# Allegro board S071AA-0413-20260427.brd (continued)
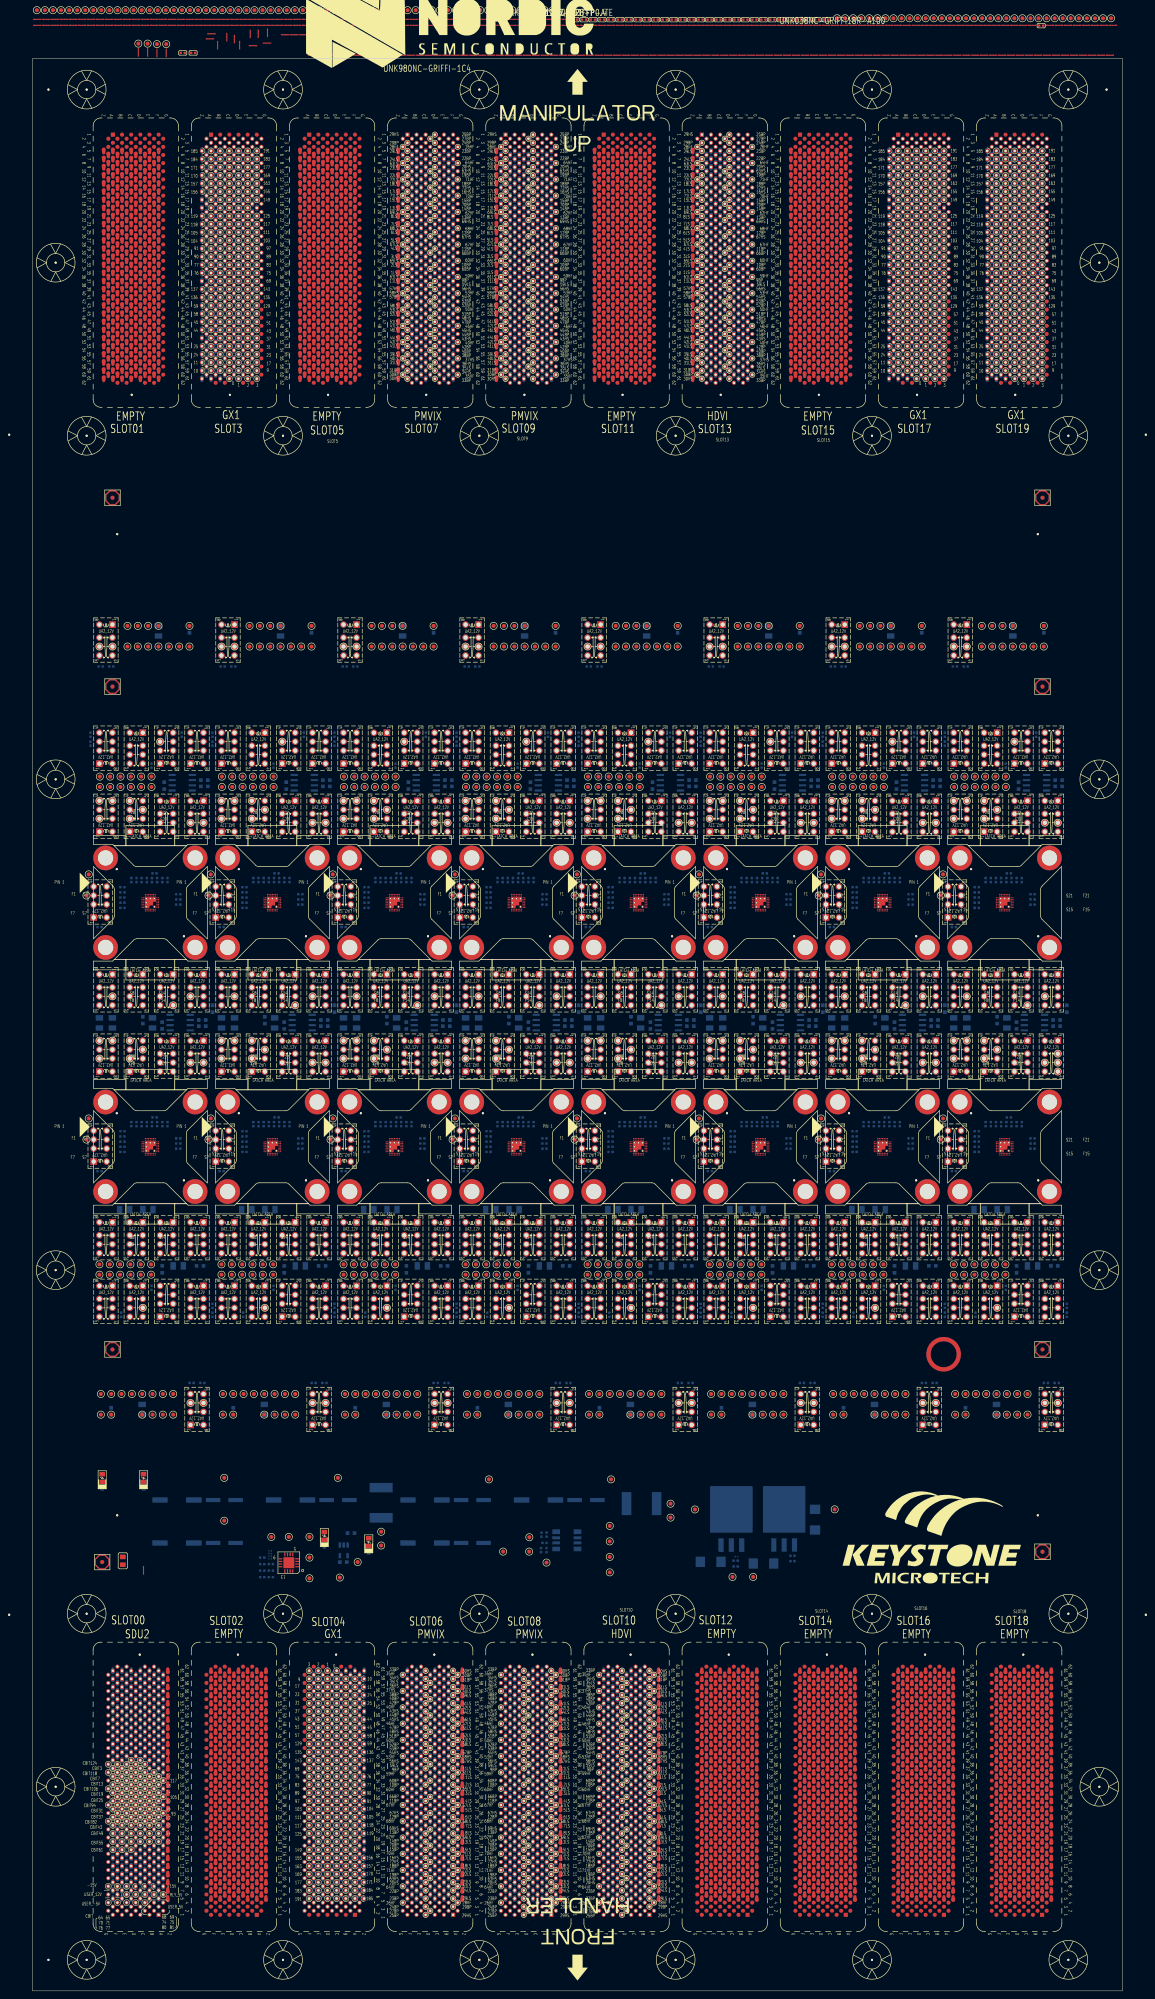
[diagram p0: board, top side]
## Footprints (pads in the part's own frame, mm; a bottom-side part is the same pattern mirrored in y, then rotated) (continued)
PG_LTXDX_F_X1_PG400ND_SL02_V3
  round 0.051 hole 2.489x2.21 unplated: (-84.465,-220.342)
  round 0.508 hole 3.2 unplated: (-83.466,-154.842)
  rect 1.016x1.016 smd: A1(-78.836,-218.796)
  round 1.016 smd: A2(-77.711,-217.796) A3(-78.836,-216.796) A4(-77.711,-215.796) B1(-81.085,-218.796) B2(-79.96,-217.796) B3(-81.085,-216.796) B4(-79.96,-215.796) B62(-79.96,-157.796) C1(-83.336,-218.796) C2(-82.21,-217.796) C3(-83.336,-216.796) C4(-82.21,-215.796) C62(-82.21,-157.796) D1(-85.586,-218.796) D2(-84.461,-217.796) D3(-85.586,-216.796) D4(-84.461,-215.796) E1(-87.835,-218.796) E2(-86.711,-217.796) E3(-87.835,-216.796) E4(-86.711,-215.796) E62(-86.711,-157.796) F1(-90.085,-218.796) F2(-88.96,-217.796) F3(-90.085,-216.796) F4(-88.96,-215.796) F62(-88.96,-157.796) G2(-91.21,-217.796) G4(-91.21,-215.796) G6(-91.21,-213.796) G8(-91.21,-211.796) G10(-91.21,-209.796) G12(-91.21,-207.796) G14(-91.21,-205.796) G16(-91.21,-203.796) G18(-91.21,-201.796) G20(-91.21,-199.796) G22(-91.21,-197.796) G24(-91.21,-195.796) G26(-91.21,-193.796) G28(-91.21,-191.796) G30(-91.21,-189.796) G32(-91.21,-187.796) G34(-91.21,-185.796) G36(-91.21,-183.796) G38(-91.21,-181.796) G40(-91.21,-179.796) G42(-91.21,-177.796) G44(-91.21,-175.796) G46(-91.21,-173.796) G48(-91.21,-171.796) G50(-91.21,-169.796) G52(-91.21,-167.796) G54(-91.21,-165.796) G56(-91.21,-163.796) G58(-91.21,-161.796) G60(-91.21,-159.796)
  custom 0.257x0.257 smd: A5(-78.836,-214.796) A6(-77.711,-213.796) A7(-78.836,-212.796) A8(-77.711,-211.796) A9(-78.836,-210.796) A10(-77.711,-209.796) A11(-78.836,-208.796) A12(-77.711,-207.796) A13(-78.836,-206.796) A14(-77.711,-205.796) A15(-78.836,-204.796) A16(-77.711,-203.796) A17(-78.836,-202.796) A18(-77.711,-201.796) A19(-78.836,-200.796) A20(-77.711,-199.796) A21(-78.836,-198.796) A22(-77.711,-197.796) A23(-78.836,-196.796) A24(-77.711,-195.796) A25(-78.836,-194.796) A26(-77.711,-193.796) A27(-78.836,-192.796) A28(-77.711,-191.796) A29(-78.836,-190.796) A30(-77.711,-189.796) A31(-78.836,-188.796) A32(-77.711,-187.796) A33(-78.836,-186.796) A34(-77.711,-185.796) A35(-78.836,-184.796) A36(-77.711,-183.796) A37(-78.836,-182.796) A38(-77.711,-181.796) A39(-78.836,-180.796) A40(-77.711,-179.796) A41(-78.836,-178.796) A42(-77.711,-177.796) A43(-78.836,-176.796) A44(-77.711,-175.796) A45(-78.836,-174.796) A46(-77.711,-173.796) A47(-78.836,-172.796) A48(-77.711,-171.796) A49(-78.836,-170.796) A50(-77.711,-169.796) A51(-78.836,-168.796) A52(-77.711,-167.796) A53(-78.836,-166.796) A54(-77.711,-165.796) A55(-78.836,-164.796) A56(-77.711,-163.796) A57(-78.836,-162.796) A58(-77.711,-161.796) A59(-78.836,-160.796) A60(-77.711,-159.796) A61(-78.836,-158.796) B5(-81.085,-214.796) B6(-79.96,-213.796) B7(-81.085,-212.796) B8(-79.96,-211.796) B9(-81.085,-210.796) B10(-79.96,-209.796) B11(-81.085,-208.796) B12(-79.96,-207.796) B13(-81.085,-206.796) B14(-79.96,-205.796) B15(-81.085,-204.796) B16(-79.96,-203.796) B17(-81.085,-202.796) B18(-79.96,-201.796) B19(-81.085,-200.796) B20(-79.96,-199.796) B21(-81.085,-198.796) B22(-79.96,-197.796) B23(-81.085,-196.796) B24(-79.96,-195.796) B25(-81.085,-194.796) B26(-79.96,-193.796) B27(-81.085,-192.796) B28(-79.96,-191.796) B29(-81.085,-190.796) B30(-79.96,-189.796) B31(-81.085,-188.796) B32(-79.96,-187.796) B33(-81.085,-186.796) B34(-79.96,-185.796) B35(-81.085,-184.796) B36(-79.96,-183.796) B37(-81.085,-182.796) B38(-79.96,-181.796) B39(-81.085,-180.796) B40(-79.96,-179.796) B41(-81.085,-178.796) B42(-79.96,-177.796) B43(-81.085,-176.796) B44(-79.96,-175.796) B45(-81.085,-174.796) B46(-79.96,-173.796) B47(-81.085,-172.796) B48(-79.96,-171.796) B49(-81.085,-170.796) B50(-79.96,-169.796) B51(-81.085,-168.796) B52(-79.96,-167.796) B53(-81.085,-166.796) B54(-79.96,-165.796) B55(-81.085,-164.796) B56(-79.96,-163.796) B57(-81.085,-162.796) B58(-79.96,-161.796) B59(-81.085,-160.796) B60(-79.96,-159.796) B61(-81.085,-158.796) C5(-83.336,-214.796) C6(-82.21,-213.796) C7(-83.336,-212.796) C8(-82.21,-211.796) C9(-83.336,-210.796) C10(-82.21,-209.796) C11(-83.336,-208.796) C12(-82.21,-207.796) C13(-83.336,-206.796) C14(-82.21,-205.796) C15(-83.336,-204.796) C16(-82.21,-203.796) C17(-83.336,-202.796) C18(-82.21,-201.796) C19(-83.336,-200.796) C20(-82.21,-199.796) C21(-83.336,-198.796) C22(-82.21,-197.796) C23(-83.336,-196.796) C24(-82.21,-195.796) C25(-83.336,-194.796) C26(-82.21,-193.796) C27(-83.336,-192.796) C28(-82.21,-191.796) C29(-83.336,-190.796) C30(-82.21,-189.796) C31(-83.336,-188.796) C32(-82.21,-187.796) C33(-83.336,-186.796) C34(-82.21,-185.796) C35(-83.336,-184.796) C36(-82.21,-183.796) C37(-83.336,-182.796) C38(-82.21,-181.796) C39(-83.336,-180.796) C40(-82.21,-179.796) C41(-83.336,-178.796) C42(-82.21,-177.796) C43(-83.336,-176.796) C44(-82.21,-175.796) C45(-83.336,-174.796) C46(-82.21,-173.796) C47(-83.336,-172.796) C48(-82.21,-171.796) C49(-83.336,-170.796) C50(-82.21,-169.796) C51(-83.336,-168.796) C52(-82.21,-167.796) C53(-83.336,-166.796) C54(-82.21,-165.796) C55(-83.336,-164.796) C56(-82.21,-163.796) C57(-83.336,-162.796) C58(-82.21,-161.796) C59(-83.336,-160.796) C60(-82.21,-159.796) C61(-83.336,-158.796) D5(-85.586,-214.796) D6(-84.461,-213.796) D7(-85.586,-212.796) D8(-84.461,-211.796) D9(-85.586,-210.796) D10(-84.461,-209.796) D11(-85.586,-208.796) D12(-84.461,-207.796) D13(-85.586,-206.796) D14(-84.461,-205.796) D15(-85.586,-204.796) D16(-84.461,-203.796) D17(-85.586,-202.796) D18(-84.461,-201.796) D19(-85.586,-200.796) D20(-84.461,-199.796) D21(-85.586,-198.796) D22(-84.461,-197.796) D23(-85.586,-196.796) D24(-84.461,-195.796) D25(-85.586,-194.796) D26(-84.461,-193.796) D27(-85.586,-192.796) D28(-84.461,-191.796) D29(-85.586,-190.796) D30(-84.461,-189.796) D31(-85.586,-188.796) D32(-84.461,-187.796) D33(-85.586,-186.796) D34(-84.461,-185.796) D35(-85.586,-184.796) D36(-84.461,-183.796) D37(-85.586,-182.796) D38(-84.461,-181.796) D39(-85.586,-180.796) D40(-84.461,-179.796) D41(-85.586,-178.796) D42(-84.461,-177.796) D43(-85.586,-176.796) D44(-84.461,-175.796) D45(-85.586,-174.796) D46(-84.461,-173.796) D47(-85.586,-172.796) D48(-84.461,-171.796) D49(-85.586,-170.796) D50(-84.461,-169.796) D51(-85.586,-168.796) D52(-84.461,-167.796) D53(-85.586,-166.796) D54(-84.461,-165.796) D55(-85.586,-164.796) D56(-84.461,-163.796) D57(-85.586,-162.796) D58(-84.461,-161.796) D59(-85.586,-160.796) D60(-84.461,-159.796) D61(-85.586,-158.796) E5(-87.835,-214.796) E6(-86.711,-213.796) E7(-87.835,-212.796) E8(-86.711,-211.796) E9(-87.835,-210.796) E10(-86.711,-209.796) E11(-87.835,-208.796) E12(-86.711,-207.796) E13(-87.835,-206.796) E14(-86.711,-205.796) E15(-87.835,-204.796) E16(-86.711,-203.796) E17(-87.835,-202.796) E18(-86.711,-201.796) E19(-87.835,-200.796) E20(-86.711,-199.796) E21(-87.835,-198.796) E22(-86.711,-197.796) E23(-87.835,-196.796) E24(-86.711,-195.796) E25(-87.835,-194.796) E26(-86.711,-193.796) E27(-87.835,-192.796) E28(-86.711,-191.796) E29(-87.835,-190.796) E30(-86.711,-189.796) E31(-87.835,-188.796) E32(-86.711,-187.796) E33(-87.835,-186.796) E34(-86.711,-185.796) E35(-87.835,-184.796) E36(-86.711,-183.796) E37(-87.835,-182.796) E38(-86.711,-181.796) E39(-87.835,-180.796) E40(-86.711,-179.796) E41(-87.835,-178.796) E42(-86.711,-177.796) E43(-87.835,-176.796) E44(-86.711,-175.796) E45(-87.835,-174.796) E46(-86.711,-173.796) E47(-87.835,-172.796) E48(-86.711,-171.796) E49(-87.835,-170.796) E50(-86.711,-169.796) E51(-87.835,-168.796) E52(-86.711,-167.796) E53(-87.835,-166.796) E54(-86.711,-165.796) E55(-87.835,-164.796) E56(-86.711,-163.796) E57(-87.835,-162.796) E58(-86.711,-161.796) E59(-87.835,-160.796) E60(-86.711,-159.796) E61(-87.835,-158.796) F5(-90.085,-214.796) F6(-88.96,-213.796) F7(-90.085,-212.796) F8(-88.96,-211.796) F9(-90.085,-210.796) F10(-88.96,-209.796) F11(-90.085,-208.796) F12(-88.96,-207.796) F13(-90.085,-206.796) F14(-88.96,-205.796) F15(-90.085,-204.796) F16(-88.96,-203.796) F17(-90.085,-202.796) F18(-88.96,-201.796) F19(-90.085,-200.796) F20(-88.96,-199.796) F21(-90.085,-198.796) F22(-88.96,-197.796) F23(-90.085,-196.796) F24(-88.96,-195.796) F25(-90.085,-194.796) F26(-88.96,-193.796) F27(-90.085,-192.796) F28(-88.96,-191.796) F29(-90.085,-190.796) F30(-88.96,-189.796) F31(-90.085,-188.796) F32(-88.96,-187.796) F33(-90.085,-186.796) F34(-88.96,-185.796) F35(-90.085,-184.796) F36(-88.96,-183.796) F37(-90.085,-182.796) F38(-88.96,-181.796) F39(-90.085,-180.796) F40(-88.96,-179.796) F41(-90.085,-178.796) F42(-88.96,-177.796) F43(-90.085,-176.796) F44(-88.96,-175.796) F45(-90.085,-174.796) F46(-88.96,-173.796) F47(-90.085,-172.796) F48(-88.96,-171.796) F49(-90.085,-170.796) F50(-88.96,-169.796) F51(-90.085,-168.796) F52(-88.96,-167.796) F53(-90.085,-166.796) F54(-88.96,-165.796) F55(-90.085,-164.796) F56(-88.96,-163.796) F57(-90.085,-162.796) F58(-88.96,-161.796) F59(-90.085,-160.796) F60(-88.96,-159.796) F61(-90.085,-158.796) Z5(-76.586,-214.796) Z7(-76.586,-212.796) Z9(-76.586,-210.796) Z11(-76.586,-208.796) Z13(-76.586,-206.796) Z15(-76.586,-204.796) Z17(-76.586,-202.796) Z19(-76.586,-200.796) Z21(-76.586,-198.796) Z23(-76.586,-196.796) Z25(-76.586,-194.796) Z27(-76.586,-192.796) Z29(-76.586,-190.796) Z31(-76.586,-188.796) Z33(-76.586,-186.796) Z35(-76.586,-184.796) Z37(-76.586,-182.796) Z39(-76.586,-180.796) Z41(-76.586,-178.796) Z43(-76.586,-176.796) Z45(-76.586,-174.796) Z47(-76.586,-172.796) Z49(-76.586,-170.796) Z51(-76.586,-168.796) Z53(-76.586,-166.796) Z55(-76.586,-164.796) Z57(-76.586,-162.796) Z59(-76.586,-160.796) Z61(-76.586,-158.796)
PG_LTXDX_F_X1_PG400ND_SL05_V3
  round 0.508 hole 3.2 unplated: (-61.315,154.842)
  round 0.051 hole 2.489x2.21 unplated: (-60.315,220.342)
  rect 1.016x1.016 smd: A1(-65.944,218.796)
  round 1.016 smd: A2(-67.069,217.796) A3(-65.944,216.796) A4(-67.069,215.796) B1(-63.695,218.796) B2(-64.82,217.796) B3(-63.695,216.796) B4(-64.82,215.796) B62(-64.82,157.796) C1(-61.444,218.796) C2(-62.57,217.796) C3(-61.444,216.796) C4(-62.57,215.796) C62(-62.57,157.796) D1(-59.194,218.796) D2(-60.319,217.796) D3(-59.194,216.796) D4(-60.319,215.796) E1(-56.945,218.796) E2(-58.069,217.796) E3(-56.945,216.796) E4(-58.069,215.796) E62(-58.069,157.796) F1(-54.695,218.796) F2(-55.82,217.796) F3(-54.695,216.796) F4(-55.82,215.796) F62(-55.82,157.796) G2(-53.57,217.796) G4(-53.57,215.796) G6(-53.57,213.796) G8(-53.57,211.796) G10(-53.57,209.796) G12(-53.57,207.796) G14(-53.57,205.796) G16(-53.57,203.796) G18(-53.57,201.796) G20(-53.57,199.796) G22(-53.57,197.796) G24(-53.57,195.796) G26(-53.57,193.796) G28(-53.57,191.796) G30(-53.57,189.796) G32(-53.57,187.796) G34(-53.57,185.796) G36(-53.57,183.796) G38(-53.57,181.796) G40(-53.57,179.796) G42(-53.57,177.796) G44(-53.57,175.796) G46(-53.57,173.796) G48(-53.57,171.796) G50(-53.57,169.796) G52(-53.57,167.796) G54(-53.57,165.796) G56(-53.57,163.796) G58(-53.57,161.796) G60(-53.57,159.796)
  custom 0.257x0.257 smd: A5(-65.944,214.796) A6(-67.069,213.796) A7(-65.944,212.796) A8(-67.069,211.796) A9(-65.944,210.796) A10(-67.069,209.796) A11(-65.944,208.796) A12(-67.069,207.796) A13(-65.944,206.796) A14(-67.069,205.796) A15(-65.944,204.796) A16(-67.069,203.796) A17(-65.944,202.796) A18(-67.069,201.796) A19(-65.944,200.796) A20(-67.069,199.796) A21(-65.944,198.796) A22(-67.069,197.796) A23(-65.944,196.796) A24(-67.069,195.796) A25(-65.944,194.796) A26(-67.069,193.796) A27(-65.944,192.796) A28(-67.069,191.796) A29(-65.944,190.796) A30(-67.069,189.796) A31(-65.944,188.796) A32(-67.069,187.796) A33(-65.944,186.796) A34(-67.069,185.796) A35(-65.944,184.796) A36(-67.069,183.796) A37(-65.944,182.796) A38(-67.069,181.796) A39(-65.944,180.796) A40(-67.069,179.796) A41(-65.944,178.796) A42(-67.069,177.796) A43(-65.944,176.796) A44(-67.069,175.796) A45(-65.944,174.796) A46(-67.069,173.796) A47(-65.944,172.796) A48(-67.069,171.796) A49(-65.944,170.796) A50(-67.069,169.796) A51(-65.944,168.796) A52(-67.069,167.796) A53(-65.944,166.796) A54(-67.069,165.796) A55(-65.944,164.796) A56(-67.069,163.796) A57(-65.944,162.796) A58(-67.069,161.796) A59(-65.944,160.796) A60(-67.069,159.796) A61(-65.944,158.796) B5(-63.695,214.796) B6(-64.82,213.796) B7(-63.695,212.796) B8(-64.82,211.796) B9(-63.695,210.796) B10(-64.82,209.796) B11(-63.695,208.796) B12(-64.82,207.796) B13(-63.695,206.796) B14(-64.82,205.796) B15(-63.695,204.796) B16(-64.82,203.796) B17(-63.695,202.796) B18(-64.82,201.796) B19(-63.695,200.796) B20(-64.82,199.796) B21(-63.695,198.796) B22(-64.82,197.796) B23(-63.695,196.796) B24(-64.82,195.796) B25(-63.695,194.796) B26(-64.82,193.796) B27(-63.695,192.796) B28(-64.82,191.796) B29(-63.695,190.796) B30(-64.82,189.796) B31(-63.695,188.796) B32(-64.82,187.796) B33(-63.695,186.796) B34(-64.82,185.796) B35(-63.695,184.796) B36(-64.82,183.796) B37(-63.695,182.796) B38(-64.82,181.796) B39(-63.695,180.796) B40(-64.82,179.796) B41(-63.695,178.796) B42(-64.82,177.796) B43(-63.695,176.796) B44(-64.82,175.796) B45(-63.695,174.796) B46(-64.82,173.796) B47(-63.695,172.796) B48(-64.82,171.796) B49(-63.695,170.796) B50(-64.82,169.796) B51(-63.695,168.796) B52(-64.82,167.796) B53(-63.695,166.796) B54(-64.82,165.796) B55(-63.695,164.796) B56(-64.82,163.796) B57(-63.695,162.796) B58(-64.82,161.796) B59(-63.695,160.796) B60(-64.82,159.796) B61(-63.695,158.796) C5(-61.444,214.796) C6(-62.57,213.796) C7(-61.444,212.796) C8(-62.57,211.796) C9(-61.444,210.796) C10(-62.57,209.796) C11(-61.444,208.796) C12(-62.57,207.796) C13(-61.444,206.796) C14(-62.57,205.796) C15(-61.444,204.796) C16(-62.57,203.796) C17(-61.444,202.796) C18(-62.57,201.796) C19(-61.444,200.796) C20(-62.57,199.796) C21(-61.444,198.796) C22(-62.57,197.796) C23(-61.444,196.796) C24(-62.57,195.796) C25(-61.444,194.796) C26(-62.57,193.796) C27(-61.444,192.796) C28(-62.57,191.796) C29(-61.444,190.796) C30(-62.57,189.796) C31(-61.444,188.796) C32(-62.57,187.796) C33(-61.444,186.796) C34(-62.57,185.796) C35(-61.444,184.796) C36(-62.57,183.796) C37(-61.444,182.796) C38(-62.57,181.796) C39(-61.444,180.796) C40(-62.57,179.796) C41(-61.444,178.796) C42(-62.57,177.796) C43(-61.444,176.796) C44(-62.57,175.796) C45(-61.444,174.796) C46(-62.57,173.796) C47(-61.444,172.796) C48(-62.57,171.796) C49(-61.444,170.796) C50(-62.57,169.796) C51(-61.444,168.796) C52(-62.57,167.796) C53(-61.444,166.796) C54(-62.57,165.796) C55(-61.444,164.796) C56(-62.57,163.796) C57(-61.444,162.796) C58(-62.57,161.796) C59(-61.444,160.796) C60(-62.57,159.796) C61(-61.444,158.796) D5(-59.194,214.796) D6(-60.319,213.796) D7(-59.194,212.796) D8(-60.319,211.796) D9(-59.194,210.796) D10(-60.319,209.796) D11(-59.194,208.796) D12(-60.319,207.796) D13(-59.194,206.796) D14(-60.319,205.796) D15(-59.194,204.796) D16(-60.319,203.796) D17(-59.194,202.796) D18(-60.319,201.796) D19(-59.194,200.796) D20(-60.319,199.796) D21(-59.194,198.796) D22(-60.319,197.796) D23(-59.194,196.796) D24(-60.319,195.796) D25(-59.194,194.796) D26(-60.319,193.796) D27(-59.194,192.796) D28(-60.319,191.796) D29(-59.194,190.796) D30(-60.319,189.796) D31(-59.194,188.796) D32(-60.319,187.796) D33(-59.194,186.796) D34(-60.319,185.796) D35(-59.194,184.796) D36(-60.319,183.796) D37(-59.194,182.796) D38(-60.319,181.796) D39(-59.194,180.796) D40(-60.319,179.796) D41(-59.194,178.796) D42(-60.319,177.796) D43(-59.194,176.796) D44(-60.319,175.796) D45(-59.194,174.796) D46(-60.319,173.796) D47(-59.194,172.796) D48(-60.319,171.796) D49(-59.194,170.796) D50(-60.319,169.796) D51(-59.194,168.796) D52(-60.319,167.796) D53(-59.194,166.796) D54(-60.319,165.796) D55(-59.194,164.796) D56(-60.319,163.796) D57(-59.194,162.796) D58(-60.319,161.796) D59(-59.194,160.796) D60(-60.319,159.796) D61(-59.194,158.796) E5(-56.945,214.796) E6(-58.069,213.796) E7(-56.945,212.796) E8(-58.069,211.796) E9(-56.945,210.796) E10(-58.069,209.796) E11(-56.945,208.796) E12(-58.069,207.796) E13(-56.945,206.796) E14(-58.069,205.796) E15(-56.945,204.796) E16(-58.069,203.796) E17(-56.945,202.796) E18(-58.069,201.796) E19(-56.945,200.796) E20(-58.069,199.796) E21(-56.945,198.796) E22(-58.069,197.796) E23(-56.945,196.796) E24(-58.069,195.796) E25(-56.945,194.796) E26(-58.069,193.796) E27(-56.945,192.796) E28(-58.069,191.796) E29(-56.945,190.796) E30(-58.069,189.796) E31(-56.945,188.796) E32(-58.069,187.796) E33(-56.945,186.796) E34(-58.069,185.796) E35(-56.945,184.796) E36(-58.069,183.796) E37(-56.945,182.796) E38(-58.069,181.796) E39(-56.945,180.796) E40(-58.069,179.796) E41(-56.945,178.796) E42(-58.069,177.796) E43(-56.945,176.796) E44(-58.069,175.796) E45(-56.945,174.796) E46(-58.069,173.796) E47(-56.945,172.796) E48(-58.069,171.796) E49(-56.945,170.796) E50(-58.069,169.796) E51(-56.945,168.796) E52(-58.069,167.796) E53(-56.945,166.796) E54(-58.069,165.796) E55(-56.945,164.796) E56(-58.069,163.796) E57(-56.945,162.796) E58(-58.069,161.796) E59(-56.945,160.796) E60(-58.069,159.796) E61(-56.945,158.796) F5(-54.695,214.796) F6(-55.82,213.796) F7(-54.695,212.796) F8(-55.82,211.796) F9(-54.695,210.796) F10(-55.82,209.796) F11(-54.695,208.796) F12(-55.82,207.796) F13(-54.695,206.796) F14(-55.82,205.796) F15(-54.695,204.796) F16(-55.82,203.796) F17(-54.695,202.796) F18(-55.82,201.796) F19(-54.695,200.796) F20(-55.82,199.796) F21(-54.695,198.796) F22(-55.82,197.796) F23(-54.695,196.796) F24(-55.82,195.796) F25(-54.695,194.796) F26(-55.82,193.796) F27(-54.695,192.796) F28(-55.82,191.796) F29(-54.695,190.796) F30(-55.82,189.796) F31(-54.695,188.796) F32(-55.82,187.796) F33(-54.695,186.796) F34(-55.82,185.796) F35(-54.695,184.796) F36(-55.82,183.796) F37(-54.695,182.796) F38(-55.82,181.796) F39(-54.695,180.796) F40(-55.82,179.796) F41(-54.695,178.796) F42(-55.82,177.796) F43(-54.695,176.796) F44(-55.82,175.796) F45(-54.695,174.796) F46(-55.82,173.796) F47(-54.695,172.796) F48(-55.82,171.796) F49(-54.695,170.796) F50(-55.82,169.796) F51(-54.695,168.796) F52(-55.82,167.796) F53(-54.695,166.796) F54(-55.82,165.796) F55(-54.695,164.796) F56(-55.82,163.796) F57(-54.695,162.796) F58(-55.82,161.796) F59(-54.695,160.796) F60(-55.82,159.796) F61(-54.695,158.796) Z5(-68.194,214.796) Z7(-68.194,212.796) Z9(-68.194,210.796) Z11(-68.194,208.796) Z13(-68.194,206.796) Z15(-68.194,204.796) Z17(-68.194,202.796) Z19(-68.194,200.796) Z21(-68.194,198.796) Z23(-68.194,196.796) Z25(-68.194,194.796) Z27(-68.194,192.796) Z29(-68.194,190.796) Z31(-68.194,188.796) Z33(-68.194,186.796) Z35(-68.194,184.796) Z37(-68.194,182.796) Z39(-68.194,180.796) Z41(-68.194,178.796) Z43(-68.194,176.796) Z45(-68.194,174.796) Z47(-68.194,172.796) Z49(-68.194,170.796) Z51(-68.194,168.796) Z53(-68.194,166.796) Z55(-68.194,164.796) Z57(-68.194,162.796) Z59(-68.194,160.796) Z61(-68.194,158.796)
PG_LTXDX_F_X1_PG400ND_SL11_V3
  round 0.508 hole 3.2 unplated: (11.076,154.842)
  round 0.051 hole 2.489x2.21 unplated: (12.076,220.342)
  rect 1.016x1.016 smd: A1(6.446,218.796)
  round 1.016 smd: A2(5.321,217.796) A3(6.446,216.796) A4(5.321,215.796) B1(8.695,218.796) B2(7.57,217.796) B3(8.695,216.796) B4(7.57,215.796) B62(7.57,157.796) C1(10.946,218.796) C2(9.82,217.796) C3(10.946,216.796) C4(9.82,215.796) C62(9.82,157.796) D1(13.196,218.796) D2(12.071,217.796) D3(13.196,216.796) D4(12.071,215.796) E1(15.445,218.796) E2(14.321,217.796) E3(15.445,216.796) E4(14.321,215.796) E62(14.321,157.796) F1(17.695,218.796) F2(16.57,217.796) F3(17.695,216.796) F4(16.57,215.796) F62(16.57,157.796) G2(18.82,217.796) G4(18.82,215.796) G6(18.82,213.796) G8(18.82,211.796) G10(18.82,209.796) G12(18.82,207.796) G14(18.82,205.796) G16(18.82,203.796) G18(18.82,201.796) G20(18.82,199.796) G22(18.82,197.796) G24(18.82,195.796) G26(18.82,193.796) G28(18.82,191.796) G30(18.82,189.796) G32(18.82,187.796) G34(18.82,185.796) G36(18.82,183.796) G38(18.82,181.796) G40(18.82,179.796) G42(18.82,177.796) G44(18.82,175.796) G46(18.82,173.796) G48(18.82,171.796) G50(18.82,169.796) G52(18.82,167.796) G54(18.82,165.796) G56(18.82,163.796) G58(18.82,161.796) G60(18.82,159.796)
  custom 0.257x0.257 smd: A5(6.446,214.796) A6(5.321,213.796) A7(6.446,212.796) A8(5.321,211.796) A9(6.446,210.796) A10(5.321,209.796) A11(6.446,208.796) A12(5.321,207.796) A13(6.446,206.796) A14(5.321,205.796) A15(6.446,204.796) A16(5.321,203.796) A17(6.446,202.796) A18(5.321,201.796) A19(6.446,200.796) A20(5.321,199.796) A21(6.446,198.796) A22(5.321,197.796) A23(6.446,196.796) A24(5.321,195.796) A25(6.446,194.796) A26(5.321,193.796) A27(6.446,192.796) A28(5.321,191.796) A29(6.446,190.796) A30(5.321,189.796) A31(6.446,188.796) A32(5.321,187.796) A33(6.446,186.796) A34(5.321,185.796) A35(6.446,184.796) A36(5.321,183.796) A37(6.446,182.796) A38(5.321,181.796) A39(6.446,180.796) A40(5.321,179.796) A41(6.446,178.796) A42(5.321,177.796) A43(6.446,176.796) A44(5.321,175.796) A45(6.446,174.796) A46(5.321,173.796) A47(6.446,172.796) A48(5.321,171.796) A49(6.446,170.796) A50(5.321,169.796) A51(6.446,168.796) A52(5.321,167.796) A53(6.446,166.796) A54(5.321,165.796) A55(6.446,164.796) A56(5.321,163.796) A57(6.446,162.796) A58(5.321,161.796) A59(6.446,160.796) A60(5.321,159.796) A61(6.446,158.796) B5(8.695,214.796) B6(7.57,213.796) B7(8.695,212.796) B8(7.57,211.796) B9(8.695,210.796) B10(7.57,209.796) B11(8.695,208.796) B12(7.57,207.796) B13(8.695,206.796) B14(7.57,205.796) B15(8.695,204.796) B16(7.57,203.796) B17(8.695,202.796) B18(7.57,201.796) B19(8.695,200.796) B20(7.57,199.796) B21(8.695,198.796) B22(7.57,197.796) B23(8.695,196.796) B24(7.57,195.796) B25(8.695,194.796) B26(7.57,193.796) B27(8.695,192.796) B28(7.57,191.796) B29(8.695,190.796) B30(7.57,189.796) B31(8.695,188.796) B32(7.57,187.796) B33(8.695,186.796) B34(7.57,185.796) B35(8.695,184.796) B36(7.57,183.796) B37(8.695,182.796) B38(7.57,181.796) B39(8.695,180.796) B40(7.57,179.796) B41(8.695,178.796) B42(7.57,177.796) B43(8.695,176.796) B44(7.57,175.796) B45(8.695,174.796) B46(7.57,173.796) B47(8.695,172.796) B48(7.57,171.796) B49(8.695,170.796) B50(7.57,169.796) B51(8.695,168.796) B52(7.57,167.796) B53(8.695,166.796) B54(7.57,165.796) B55(8.695,164.796) B56(7.57,163.796) B57(8.695,162.796) B58(7.57,161.796) B59(8.695,160.796) B60(7.57,159.796) B61(8.695,158.796) C5(10.946,214.796) C6(9.82,213.796) C7(10.946,212.796) C8(9.82,211.796) C9(10.946,210.796) C10(9.82,209.796) C11(10.946,208.796) C12(9.82,207.796) C13(10.946,206.796) C14(9.82,205.796) C15(10.946,204.796) C16(9.82,203.796) C17(10.946,202.796) C18(9.82,201.796) C19(10.946,200.796) C20(9.82,199.796) C21(10.946,198.796) C22(9.82,197.796) C23(10.946,196.796) C24(9.82,195.796) C25(10.946,194.796) C26(9.82,193.796) C27(10.946,192.796) C28(9.82,191.796) C29(10.946,190.796) C30(9.82,189.796) C31(10.946,188.796) C32(9.82,187.796) C33(10.946,186.796) C34(9.82,185.796) C35(10.946,184.796) C36(9.82,183.796) C37(10.946,182.796) C38(9.82,181.796) C39(10.946,180.796) C40(9.82,179.796) C41(10.946,178.796) C42(9.82,177.796) C43(10.946,176.796) C44(9.82,175.796) C45(10.946,174.796) C46(9.82,173.796) C47(10.946,172.796) C48(9.82,171.796) C49(10.946,170.796) C50(9.82,169.796) C51(10.946,168.796) C52(9.82,167.796) C53(10.946,166.796) C54(9.82,165.796) C55(10.946,164.796) C56(9.82,163.796) C57(10.946,162.796) C58(9.82,161.796) C59(10.946,160.796) C60(9.82,159.796) C61(10.946,158.796) D5(13.196,214.796) D6(12.071,213.796) D7(13.196,212.796) D8(12.071,211.796) D9(13.196,210.796) D10(12.071,209.796) D11(13.196,208.796) D12(12.071,207.796) D13(13.196,206.796) D14(12.071,205.796) D15(13.196,204.796) D16(12.071,203.796) D17(13.196,202.796) D18(12.071,201.796) D19(13.196,200.796) D20(12.071,199.796) D21(13.196,198.796) D22(12.071,197.796) D23(13.196,196.796) D24(12.071,195.796) D25(13.196,194.796) D26(12.071,193.796) D27(13.196,192.796) D28(12.071,191.796) D29(13.196,190.796) D30(12.071,189.796) D31(13.196,188.796) D32(12.071,187.796) D33(13.196,186.796) D34(12.071,185.796) D35(13.196,184.796) D36(12.071,183.796) D37(13.196,182.796) D38(12.071,181.796) D39(13.196,180.796) D40(12.071,179.796) D41(13.196,178.796) D42(12.071,177.796) D43(13.196,176.796) D44(12.071,175.796) D45(13.196,174.796) D46(12.071,173.796) D47(13.196,172.796) D48(12.071,171.796) D49(13.196,170.796) D50(12.071,169.796) D51(13.196,168.796) D52(12.071,167.796) D53(13.196,166.796) D54(12.071,165.796) D55(13.196,164.796) D56(12.071,163.796) D57(13.196,162.796) D58(12.071,161.796) D59(13.196,160.796) D60(12.071,159.796) D61(13.196,158.796) E5(15.445,214.796) E6(14.321,213.796) E7(15.445,212.796) E8(14.321,211.796) E9(15.445,210.796) E10(14.321,209.796) E11(15.445,208.796) E12(14.321,207.796) E13(15.445,206.796) E14(14.321,205.796) E15(15.445,204.796) E16(14.321,203.796) E17(15.445,202.796) E18(14.321,201.796) E19(15.445,200.796) E20(14.321,199.796) E21(15.445,198.796) E22(14.321,197.796) E23(15.445,196.796) E24(14.321,195.796) E25(15.445,194.796) E26(14.321,193.796) E27(15.445,192.796) E28(14.321,191.796) E29(15.445,190.796) E30(14.321,189.796) E31(15.445,188.796) E32(14.321,187.796) E33(15.445,186.796) E34(14.321,185.796) E35(15.445,184.796) E36(14.321,183.796) E37(15.445,182.796) E38(14.321,181.796) E39(15.445,180.796) E40(14.321,179.796) E41(15.445,178.796) E42(14.321,177.796) E43(15.445,176.796) E44(14.321,175.796) E45(15.445,174.796) E46(14.321,173.796) E47(15.445,172.796) E48(14.321,171.796) E49(15.445,170.796) E50(14.321,169.796) E51(15.445,168.796) E52(14.321,167.796) E53(15.445,166.796) E54(14.321,165.796) E55(15.445,164.796) E56(14.321,163.796) E57(15.445,162.796) E58(14.321,161.796) E59(15.445,160.796) E60(14.321,159.796) E61(15.445,158.796) F5(17.695,214.796) F6(16.57,213.796) F7(17.695,212.796) F8(16.57,211.796) F9(17.695,210.796) F10(16.57,209.796) F11(17.695,208.796) F12(16.57,207.796) F13(17.695,206.796) F14(16.57,205.796) F15(17.695,204.796) F16(16.57,203.796) F17(17.695,202.796) F18(16.57,201.796) F19(17.695,200.796) F20(16.57,199.796) F21(17.695,198.796) F22(16.57,197.796) F23(17.695,196.796) F24(16.57,195.796) F25(17.695,194.796) F26(16.57,193.796) F27(17.695,192.796) F28(16.57,191.796) F29(17.695,190.796) F30(16.57,189.796) F31(17.695,188.796) F32(16.57,187.796) F33(17.695,186.796) F34(16.57,185.796) F35(17.695,184.796) F36(16.57,183.796) F37(17.695,182.796) F38(16.57,181.796) F39(17.695,180.796) F40(16.57,179.796) F41(17.695,178.796) F42(16.57,177.796) F43(17.695,176.796) F44(16.57,175.796) F45(17.695,174.796) F46(16.57,173.796) F47(17.695,172.796) F48(16.57,171.796) F49(17.695,170.796) F50(16.57,169.796) F51(17.695,168.796) F52(16.57,167.796) F53(17.695,166.796) F54(16.57,165.796) F55(17.695,164.796) F56(16.57,163.796) F57(17.695,162.796) F58(16.57,161.796) F59(17.695,160.796) F60(16.57,159.796) F61(17.695,158.796) Z5(4.196,214.796) Z7(4.196,212.796) Z9(4.196,210.796) Z11(4.196,208.796) Z13(4.196,206.796) Z15(4.196,204.796) Z17(4.196,202.796) Z19(4.196,200.796) Z21(4.196,198.796) Z23(4.196,196.796) Z25(4.196,194.796) Z27(4.196,192.796) Z29(4.196,190.796) Z31(4.196,188.796) Z33(4.196,186.796) Z35(4.196,184.796) Z37(4.196,182.796) Z39(4.196,180.796) Z41(4.196,178.796) Z43(4.196,176.796) Z45(4.196,174.796) Z47(4.196,172.796) Z49(4.196,170.796) Z51(4.196,168.796) Z53(4.196,166.796) Z55(4.196,164.796) Z57(4.196,162.796) Z59(4.196,160.796) Z61(4.196,158.796)
